# Altium PCB CameraControler0.7.PcbDoc (part 3 of 3) (continued)
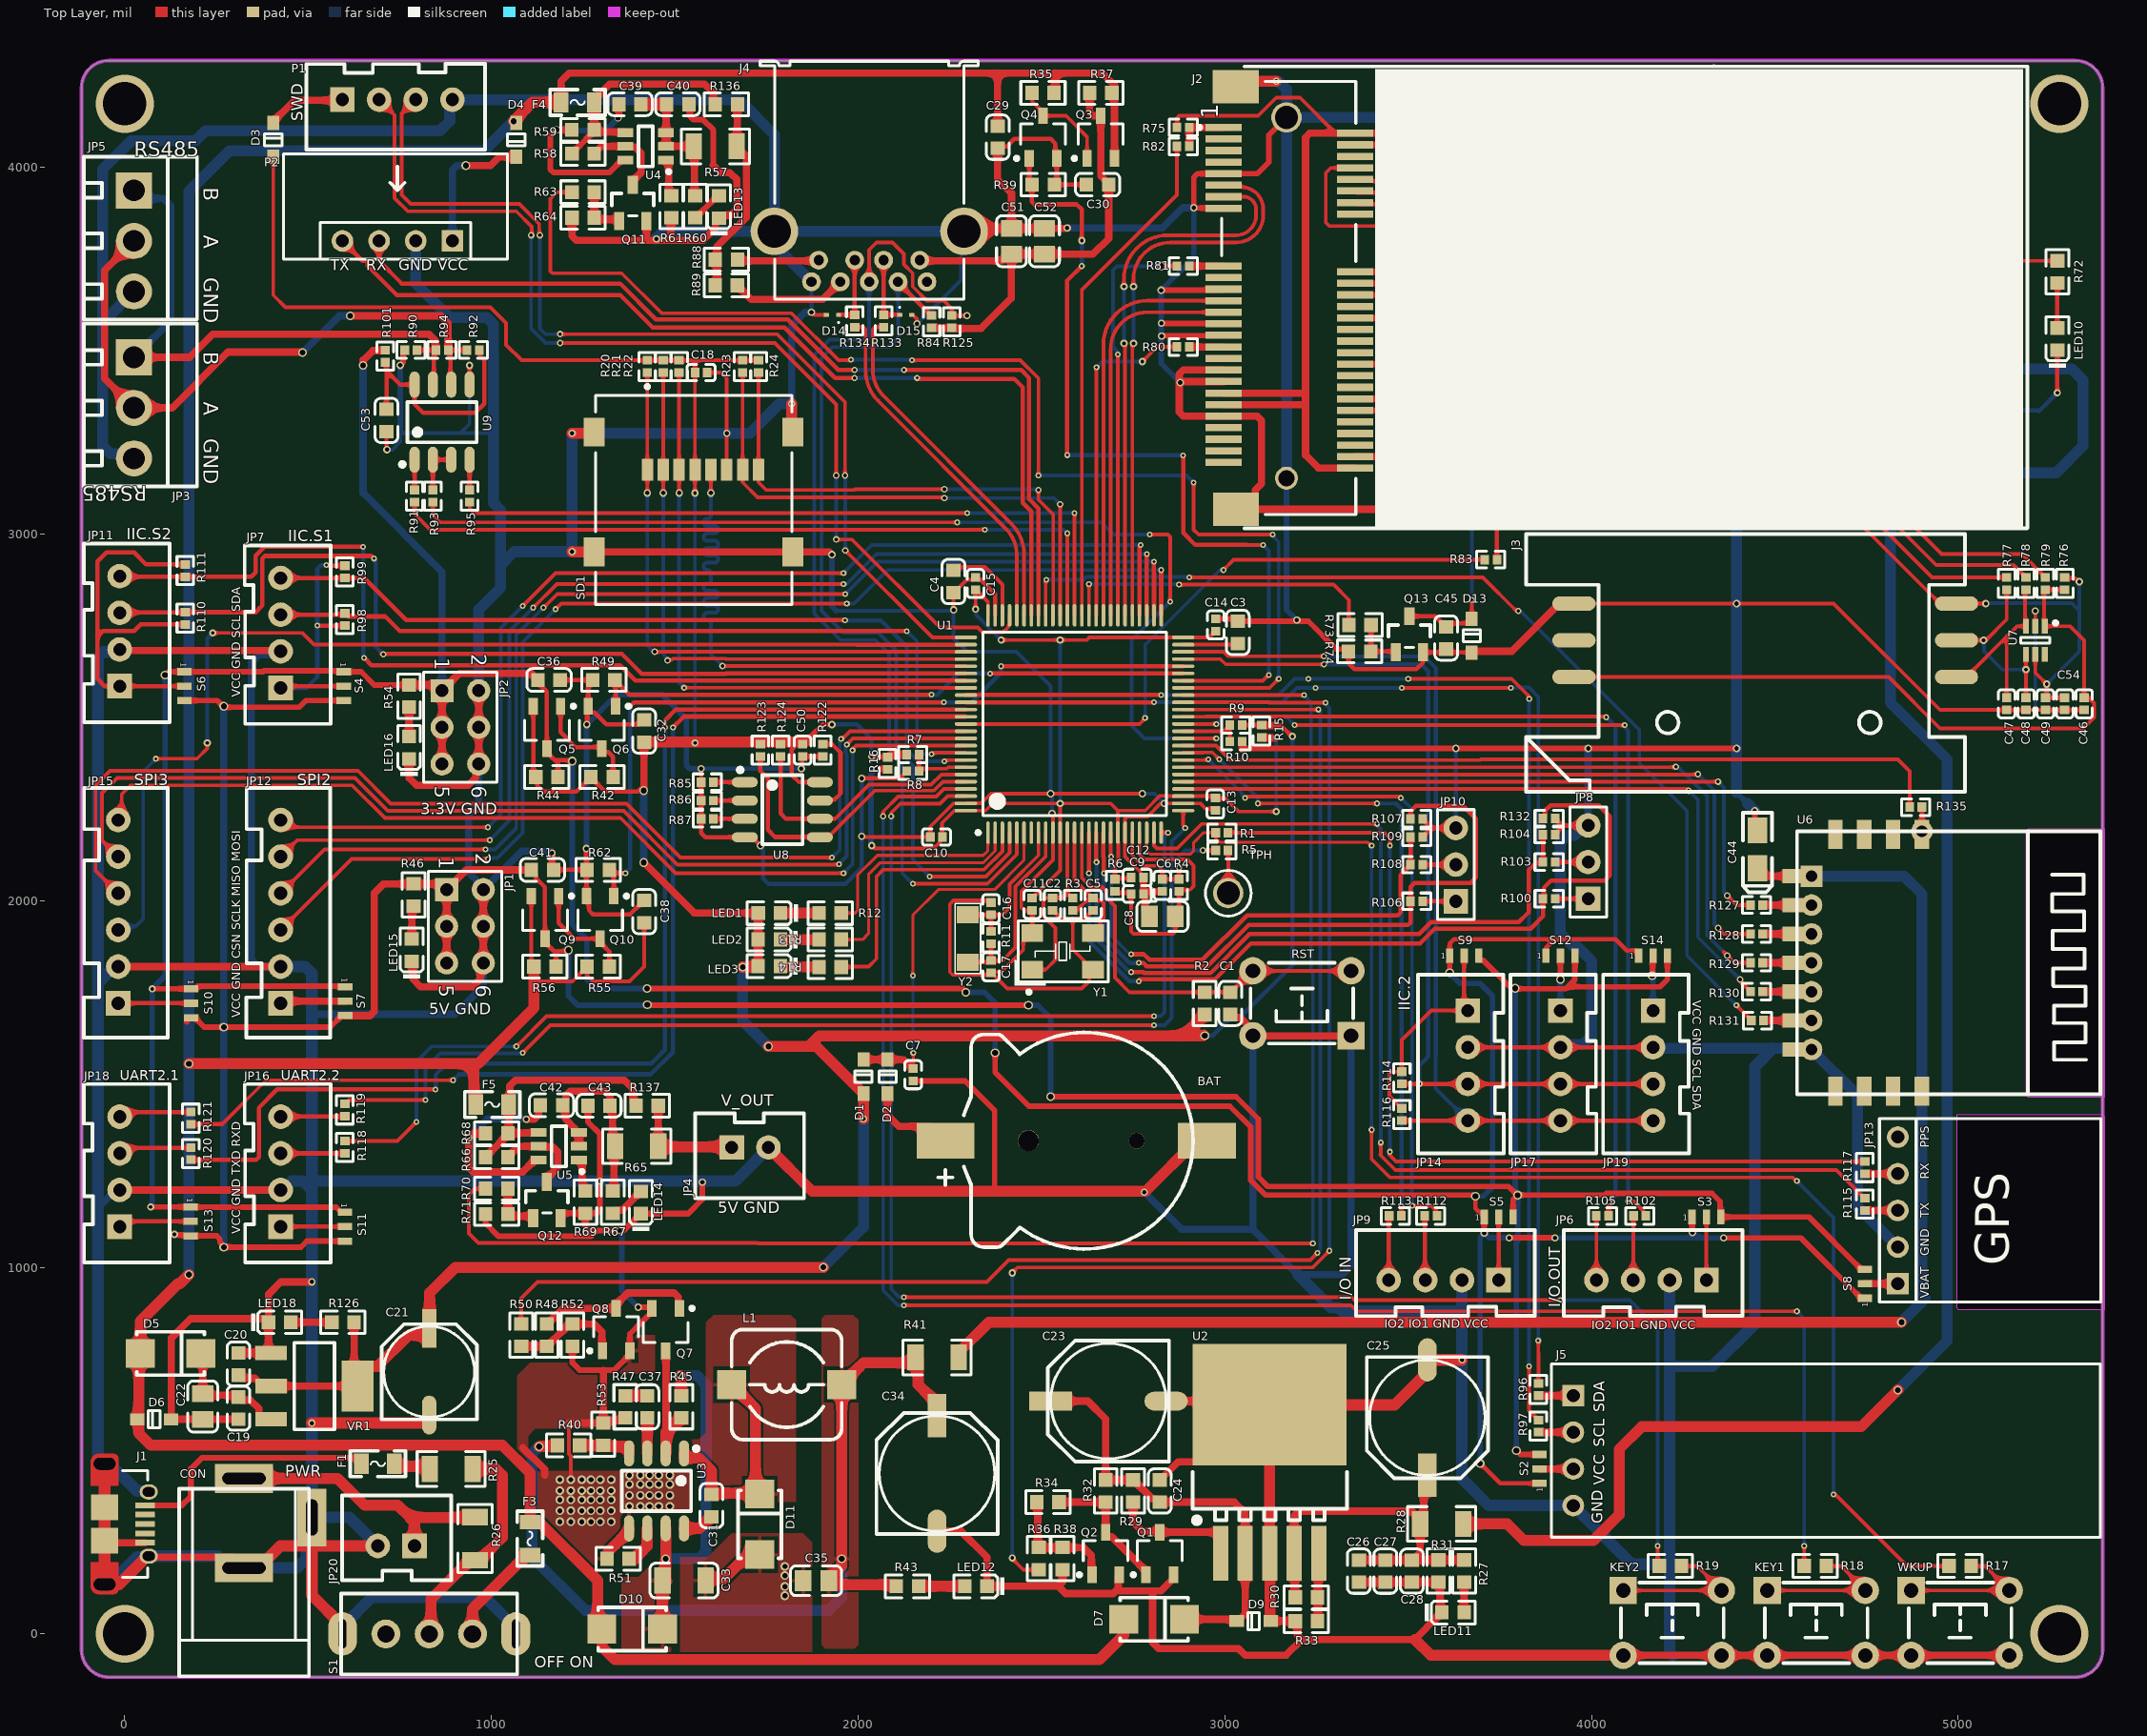
[diagram p0: Top Layer view]
## Nets (pads, with @x,y where several pads share a name; then routed paths per layer and width w, separated by ;. In a path a pad name is that pad's centre, name@x,y a point inside that pad or via, vN(x,y) a via of type N, cw(c..) or ccw(c..) an arc to the next point about the centre after c; other vN are vias at no path point) (continued)
  Top Layer w19.68: U4.1@1475.35,4019.8 1480.83,4019.8 1482.79,4017.83 1482.79,3930.27 R61.1@1490.23,3922.83
NetR69_1: R69.1 U5.1 | length 96
  Top Layer w19.68: U5.1@1238.46,1292.6 1245.27,1292.6 1247.24,1290.63 1247.24,1216.5 1255.71,1208.03 R69.1@1256.02,1208.03
NetR85_1: R85.1 U8.1 | length 85.9
  Top Layer w11.81: R85.1@1605.04,2322.97 U8.1@1690.95,2322.97
NetR86_1: R86.1 U8.2 | length 85.9
  Top Layer w11.81: R86.1@1605.04,2272.97 U8.2@1690.95,2272.97
NetR87_1: R87.1 U8.3 | length 85.9
  Top Layer w11.81: R87.1@1605.04,2222.97 U8.3@1690.95,2222.97
NetR91_2: R91.2 U9.1 | length 82.6
  Top Layer w11.81: R91.2@790.17,3120 U9.1@790.17,3202.64
NetR93_2: R93.2 U9.2 U9.3 | length 132.6
  Top Layer w11.81: R93.2@840.17,3120 U9.2@840.17,3202.64 U9.3@890.17,3202.64
NetR95_2: R95.2 U9.4 | length 82.6
  Top Layer w11.81: R95.2@940.17,3120 U9.4@940.17,3202.64
NetR122_2: R122.2 U8.7 | length 233.6
  Top Layer w11.81: U8.7@1895.67,2272.97 1898.68,2275.98 1935.93,2275.98 1951.77,2291.83 1951.77,2403.36 1928.31,2426.83 R122.2@1903.31,2426.83
NetR127_2: R127.2 U6.2 | length 87.7
  Top Layer w19.68: R127.2@4466.73,1987.87 U6.2@4554.45,1987.87
NetR128_2: R128.2 U6.3 | length 87.8
  Top Layer w19.68: R128.2@4466.73,1908.96 R128.2@4466.73,1908.96 4554.36,1909.05 U6.3@4554.45,1909.13
NetR129_2: R129.2 U6.4 | length 87.7
  Top Layer w19.68: R129.2@4466.73,1830.39 U6.4@4554.45,1830.39
NetR130_2: R130.2 U6.5 | length 87.7
  Top Layer w19.68: R130.2@4466.73,1751.65 U6.5@4554.45,1751.65
NetR131_2: R131.2 U6.6 | length 91.3
  Top Layer w20: R131.2@4468.86,1672.91 U6.6@4560.16,1672.91
NetR135_1: R135.1 U6.12 | length 74.2
  Top Layer w10: U6.12@4900.71,2180.79 U6.12@4900.71,2188.66 R135.1@4900.71,2255
OSC32_IN: C16.1 R11.2 U1.8 Y2.2 | length 405.4
  Top Layer w10: Y2.2@2298.74,1961.69 2299.25,1961.19 C16.1@2362.24,1961.19 ; R11.2@2362.24,1915.61 C16.1@2362.24,1961.19 ; U1.8@2491.58,2185.47 2491.58,2123.47 2412.83,2044.73 2412.83,1980.63 2393.39,1961.19 C16.1@2362.24,1961.19
OSC32_OUT: C17.1 R11.1 U1.9 Y2.1 | length 540.5
  Top Layer w10: Y2.1@2298.74,1831.77 2357.44,1831.77 C17.1@2362.24,1836.58 ; R11.1@2362.24,1882.15 C17.1@2362.24,1836.58 ; U1.9@2511.26,2185.47 2511.26,2120.53 2429,2038.27 2429,1871.95 2393.15,1836.1 2362.72,1836.1 C17.1@2362.24,1836.58
PRESET: C45.2 D13.2 J2.22 Q13.3 | length 1373.1
  Top Layer w10: C45.2@3602.28,2746.73 C45.2@3603.27,2746.73 C45.2@3612.95,2756.42 ; 3640,3652.01 3673.27,3618.74 v1(3673.27,3135) ; D13.2@3660.86,2756.42 D13.2@3673.27,2768.83 v1(3673.27,2820)
  Top Layer w11.81: J2.22@3355,3652.01 3640,3652.01 ; Q13.3@3503.27,2775.63 3573.38,2775.63 C45.2@3602.28,2746.73 ; C45.2@3612.95,2756.42 D13.2@3660.86,2756.42
  Bottom Layer w10: v1(3673.27,2820) v1(3673.27,3135)
PWRER_CAM: R63.1 U1.43 | length 3433
  Top Layer w10: R63.1@1219.61,3932.2 1178.7,3932.2 1160.23,3913.74 1160.23,3717.2 1166.09,3711.34 1354.61,3711.34 1464.04,3601.91 1818.37,3601.91 1946.54,3473.74 1978.74,3473.74 v1(1980,3475) ; v1(2146.53,3473.74) 2442.06,3473.74 2491.58,3424.23 v1(2491.58,3160) ; U1.43@2886.26,2580.16 3121.79,2580.16 v1(3146.63,2605) ; v1(2915,3140) 2915,3011.73 2928.27,2998.47 v1(3130,2998.47)
  Bottom Layer w10: v1(1980,3475) 2145.27,3475 v1(2146.53,3473.74) ; v1(2491.58,3160) 2895,3160 v1(2915,3140) ; v1(3130,2998.47) 3130,2995 3146.63,2978.37 v1(3146.63,2605)
PWRER_MIC: R36.1 U1.41 | length 3641.8
  Top Layer w10: v5(2420,207.13) 2420,205 2450.08,174.92 R36.1@2492.21,174.92 ; v5(2420,984.3) 2420,985 2434.5,999.5 3239.4,999.5 v1(3284.9,1045) ; U1.41@2886.26,2540.79 3120,2540.79 ; 3120.79,2540.79 3121.47,2540.1 v1(3274.89,2540.1)
  Bottom Layer w10: v5(2420,207.13) v5(2420,984.3) ; v1(3274.89,2540.1) 3274.89,2535.89 3284.9,2525.89 3284.9,1046.62 v1(3284.9,1045)
PWRER_MP: R50.1 U1.40 | length 4145.6
  Top Layer w10: R50.1@1080.75,845 1080.75,915.75 1125,960 2350.54,960 2410.04,1019.5 3232.52,1019.5 v1(3252.52,1039.5) ; U1.40@2886.26,2521.1 v1(3255,2521.1)
  Bottom Layer w10: v1(3252.52,1039.5) 3252.52,1041.12 3260,1048.6 v1@3260,2517.82 ; v1@3253.85,2519.95 v1(3255,2521.1)
PWRER_OUT: R70.1 U1.42 | length 4306.7
  Top Layer w10: R70.1@983.7,1214.21 954.21,1214.21 937.91,1197.91 937.91,1092.09 963.87,1066.13 1725.13,1066.13 1726.26,1065 v1(3240,1065) ; U1.42@2886.26,2560.47 v1(3215.71,2560.47)
  Bottom Layer w10: v1(3215.71,2560.47) 3215.71,2560.08 3235,2540.79 3235,1806.2 3240,1801.2 v1(3240,1065)
PWRER_OUT3.3: Q6.1 R49.2 U1.45 | length 1660.4
  Top Layer w11.81: R49.2@1336.45,2601.74 1336.45,2600.75 R49.2@1338.54,2598.67 ; Q6.1@1338.54,2530.13 R49.2@1338.54,2598.67 ; v1(2200,2561.63) 1534.15,2561.63 1533.25,2560.72 1376.49,2560.72 R49.2@1338.54,2598.67 ; v1(2360,2619.53) 2360.22,2619.31 2886.04,2619.31 U1.45@2886.26,2619.53
  Bottom Layer w11.81: v1(2200,2561.63) 2215.56,2561.63 2273.45,2619.53 v1(2360,2619.53)
PWRER_OUT5: Q10.1 R62.2 U1.46 | length 2135.7
  Top Layer w11.81: R62.2@1321.58,2083.99 R62.2@1330.58,2075 ; Q10.1@1333.67,2012.38 1333.67,2071.91 R62.2@1330.58,2075 ; v1(1365,2075) R62.2@1330.58,2075 ; v1(1377.57,2530.13) 1388.22,2540.79 v1(2233.74,2540.79) ; v1(2390.04,2639.21) U1.46@2886.26,2639.21
  Bottom Layer w11.81: v1(1365,2075) 1377.57,2087.57 v1(1377.57,2530.13) ; v1(2233.74,2540.79) 2309.41,2540.79 2389.24,2620.61 2389.24,2638.41 v1(2390.04,2639.21)
PWRER_USB: Q4.1 R39.2 U1.44 | length 2314.7
  Top Layer w10: U1.44@2886.26,2599.84 3103.22,2599.84 3118.38,2615 v1(3120,2615) ; 3060,2970 v1(3104.68,2970)
  Top Layer w11.81: Q4.1@2466.57,4024.47 2466.57,3960.53 R39.2@2474.25,3952.85 2473.66,3952.26 2473.66,3905.89 2480.58,3898.98 2595.71,3898.98 2609.69,3885 2609.69,3800.31 v5(2610,3800) ; v1(2570,3215) 2570,3691.06 v1(2609.69,3730.75) ; v1(2886.34,3214.57) 2886.34,3003.22 2919.56,2970 3060,2970
  Bottom Layer w10: v1(3104.68,2970) 3120,2954.68 v1(3120,2615)
  Bottom Layer w11.81: v1(2570,3215) 2570.43,3214.57 v1(2886.34,3214.57) ; v1(2609.69,3730.75) 2610,3731.06 v5(2610,3800)
RS485_RE: R93.1 U1.36 | length 2963.4
  Top Layer w10: R93.1@840.17,3086.54 840.17,3052.23 860.67,3031.73 v1(2270,3031.73) ; v1(2794.92,2998.47) 2844.32,2998.47 2850.64,2992.15 v1(2850.64,2815.55) ; U1.36@2886.26,2442.36 v1(2976.43,2442.36)
  Bottom Layer w10: v1(2270,3031.73) 2663.27,3031.73 2696.53,2998.47 v1(2794.92,2998.47) ; v1(2850.64,2815.55) 2850.55,2815.55 2745.8,2710.8 2745.8,2477.1 2780.54,2442.36 v1(2976.43,2442.36)
SDIO_CMD: R22.2 SD1.3 U1.83 | length 1634.1
  Top Layer w10: v2(1511.65,3111.73) SD1.3@1511.65,3175.28 R22.2@1511.65,3440.28 ; v1(1525,2580.63) 2229.98,2580.63 2230.45,2580.16 U1.83@2293.74,2580.16
  Bottom Layer w10: v2(1511.65,3111.73) 1511.65,2593.98 v1(1525,2580.63)
SDIO_D0: R23.2 SD1.7 U1.65 | length 1493.4
  Top Layer w10: R23.2@1684.88,3440.28 SD1.7@1684.88,3175.28 1684.88,3140.75 1725.63,3100 2233.74,3100 2235,3098.74 v6(2235,3098) ; U1.65@2550.63,2777.99 v6(2550.63,3080.95)
  Bottom Layer w10: v6(2235,3098) 2533.58,3098 v6(2550.63,3080.95)
SDIO_D1: R24.2 SD1.8 U1.66 | length 1431
  Top Layer w10: R24.2@1728.19,3440.28 SD1.8@1728.19,3175.28 1728.19,3140.75 1748.94,3120 1989.89,3120 1991.89,3122 v6(2235,3122) ; v6(2491.58,3120) 2491.58,3093.32 2531.76,3053.14 2531.76,2778.81 U1.66@2530.95,2777.99
  Bottom Layer w10: v6(2235,3122) v6@2491.28,3122
SDIO_D2: R20.2 SD1.1 U1.78 | length 1620.2
  Top Layer w10: v2(1425.04,3111.73) SD1.1@1425.04,3175.28 R20.2@1425.04,3440.28 ; v6(1445,2678.58) U1.78@2293.74,2678.58
  Bottom Layer w10: v2(1425.04,3111.73) 1425.04,2694.96 1440,2680 v6@1445,2680
SDIO_D3: R21.2 SD1.2 U1.79 | length 1602.8
  Top Layer w10: v2(1468.35,3111.73) SD1.2@1468.35,3175.28 R21.2@1468.35,3440.28 ; v6(1480,2655) 1481.53,2656.53 1490.66,2656.53 1493.97,2659.84 1638.28,2659.84 1639.23,2658.9 U1.79@2293.74,2658.9
  Bottom Layer w10: v2(1468.35,3111.73) 1468.35,2671.65 v6@1481.1,2658.9
SDIO_SCK: SD1.5 U1.80 | length 1577.4
  Top Layer w10: v2(1598.27,3111.73) SD1.5@1598.27,3175.28 ; v6(1630,2639.84) 2293.11,2639.84 U1.80@2293.74,2639.21
  Bottom Layer w10: v2(1598.27,3111.73) 1598.27,3050 cw(c1590,3050) 1590,3041.73 1588.27,3041.73 ccw(c1588.27,3031.73) 1578.27,3031.73 ccw(c1588.27,3031.73) 1588.27,3021.73 1598.27,3021.73 1608.27,3021.73 cw(c1608.27,3011.73) 1618.27,3011.73 cw(c1608.27,3011.73) 1608.27,3001.73 1598.27,3001.73 1588.27,3001.73 ccw(c1588.27,2991.73) 1578.27,2991.73 ccw(c1588.27,2991.73) 1588.27,2981.73 1598.27,2981.73 1608.27,2981.73 cw(c1608.27,2971.73) 1618.27,2971.73 cw(c1608.27,2971.73) 1608.27,2961.73 1598.27,2961.73 1588.27,2961.73 ccw(c1588.27,2951.73) 1578.27,2951.73 ccw(c1588.27,2951.73) 1588.27,2941.73 1598.27,2941.73 1608.27,2941.73 cw(c1608.27,2931.73) 1618.27,2931.73 cw(c1608.27,2931.73) 1608.27,2921.73 1598.27,2921.73 1588.27,2921.73 ccw(c1588.27,2911.73) 1578.27,2911.73 ccw(c1588.27,2911.73) 1588.27,2901.73 cw(c1588.27,2891.73) 1598.27,2891.73 1598.27,2865 1588.27,2865 ccw(c1588.27,2855) 1578.27,2855 ccw(c1588.27,2855) 1588.27,2845 1598.27,2845 1608.27,2845 cw(c1608.27,2835) 1618.27,2835 cw(c1608.27,2835) 1608.27,2825 1598.27,2825 1588.27,2825 ccw(c1588.27,2815) 1578.27,2815 ccw(c1588.27,2815) 1588.27,2805 1598.27,2805 1608.27,2805 cw(c1608.27,2795) 1618.27,2795 cw(c1608.27,2795) 1608.27,2785 1598.27,2785 1588.27,2785 ccw(c1588.27,2775) 1578.27,2775 ccw(c1588.27,2775) 1588.27,2765 cw(c1588.27,2755) 1598.27,2755 1598.27,2671.73 1630,2640 v6(1630,2639.84)
SPI2_CSN: JP12.3 U1.51 | length 3236.5
  Top Layer w10: JP12.3@425,1920 619,2114 v1(990,2114) ; v1(1175,2795) 1190,2810 v1(1969.13,2810)
  Top Layer w11.81: U1.51@2826.22,2777.99 2826.66,2778.43 2826.22,2778.87 v1(2826.22,2901.73)
  Bottom Layer w10: v1(990,2114) 992,2116 1015.85,2116 1085,2185.15 1085,2705 v1(1175,2795) ; v1(1969.13,2810) 1988.75,2810 2080.49,2901.73 v1(2826.22,2901.73)
SPI2_MISO: JP12.5 U1.53 | length 3172.6
  Top Layer w10: JP12.5@425,2120 470,2165 v1(995,2165) ; v1(1113.8,2799.1) 1178.17,2863.47 v1(1960,2863.47)
  Top Layer w11.81: U1.53@2786.85,2777.99 2786.63,2778.21 2786.63,2944.78 v1(2786.85,2945)
  Bottom Layer w10: v1(995,2165) 1049,2219 1049,2734.3 v1(1113.8,2799.1) ; v1(1960,2863.47) 1968.47,2863.47 2050,2945 v1(2786.85,2945)
SPI2_MOSI: JP12.6 U1.54 | length 3163.6
  Top Layer w10: JP12.6@425,2220 445,2200 v1(990,2200) ; v1(1085,2803.73) 1174.32,2893.05 v1(1960,2893.05)
  Top Layer w11.81: U1.54@2767.17,2777.99 2766.94,2778.21 2766.94,2965.81 2770,2968.87 v1(2770,2970)
  Bottom Layer w10: v1(990,2200) 1025,2235 1025,2743.73 v1(1085,2803.73) ; v1(1960,2893.05) 2036.95,2970 v1(2770,2970)
SPI2_SCLK: JP12.4 U1.52 | length 3212.5
  Top Layer w10: JP12.4@425,2020 545,2140 v1(983.7,2140) ; v1(1141.61,2799.1) 1142.09,2799.1 1179.23,2836.25 v1(1965,2836.25)
  Top Layer w11.81: U1.52@2806.54,2777.99 2806.76,2778.21 2806.76,2893.05 2806.31,2893.49 2806.31,2909.98 2806.53,2910.2 v1(2806.53,2924.78)
  Bottom Layer w10: v1(983.7,2140) 1010,2140 1067.72,2197.72 1067.72,2725.2 v1(1141.61,2799.1) ; v1(1965,2836.25) 2053.53,2924.78 v1(2806.53,2924.78)
SPI3_CSN: JP15.3 U1.77 | length 3071.6
  Top Layer w10: v1(85,2387) 197,2387 225,2415 v5(225,2430) ; v5(240,2730) 485,2730 516.42,2698.58 1715.71,2698.58 1716.02,2698.27 1995.02,2698.27
  Top Layer w11.81: 1995.02,2698.27 U1.77@2293.74,2698.27
  Bottom Layer w10: JP15.3@-18,1920 -8,1930 30,1930 50,1950 50,2352 v1(85,2387) ; v5(225,2430) 225,2715 v5(240,2730)
SPI3_MISO: JP15.5 U1.90 | length 2985.9
  Top Layer w10: JP15.5@-18,2120 -62.46,2164.46 -62.46,2292.54 -20.9,2334.1 628.06,2334.1 717.4,2244.76 1360.18,2244.76 1506.62,2098.32 1946.96,2098.32 v1(1947.56,2098.92) ; v1(1969.13,2425.87) 1985.62,2442.36 U1.90@2293.74,2442.36
  Bottom Layer w10: v1(1947.56,2098.92) 1947.56,2100.51 1968.69,2121.64 1968.69,2399.44 1965.69,2402.44 1965.69,2422.43 v1(1969.13,2425.87)
SPI3_MOSI: JP15.6 U1.91 | length 2814.2
  Top Layer w10: JP15.6@-18,2220 -8.27,2229.73 -8.27,2290 16.07,2314.34 619.87,2314.34 709.21,2225 1351.99,2225 1501.99,2075 v1(1960,2075) ; v1(1984.69,2410.31) 1983.28,2411.72 1983.28,2412.07 1993.81,2422.6 2202.05,2422.6 2202.13,2422.68 U1.91@2293.74,2422.68
  Bottom Layer w10: v1(1960,2075) 1984.69,2099.69 v1(1984.69,2410.31)
SPI3_SCLK: JP15.4 U1.89 | length 3127
  Top Layer w10: JP15.4@-18,2020 -80,2082 -80,2314.1 -40.32,2353.79 636.21,2353.79 725.55,2264.45 1368.33,2264.45 1515.46,2117.32 v1(1928.31,2117.32) ; v1(1953.57,2441.43) 1955.03,2439.97 1955.39,2439.97 1977.47,2462.05 U1.89@2293.74,2462.05
  Bottom Layer w10: v1(1928.31,2117.32) 1949.69,2138.69 1949.69,2437.54 v1(1953.57,2441.43)
SWCLK: P1.3 U1.76 | length 2716.8
  Top Layer w10: P1.3@793.39,4184.7 755.39,4146.7 755.39,3924.61 780,3900 1075.86,3900 1130,3845.86 1130,3817 v6(1132,3815) ; v6(1187.14,3545) 1778.7,3545 1964,3359.7 v6(1964,3159.74) ; v6(1965,2955) 2202.05,2717.95 U1.76@2293.74,2717.95
  Bottom Layer w10: v6(1132,3815) 1132,3560 1147,3545 v6(1187.14,3545) ; v6(1964,3159.74) 1965,3158.74 v6(1965,2955)
SWDIO: P1.2 U1.72 | length 2876.5
  Top Layer w10: P1.2@693.39,4184.7 735.39,4142.7 735.39,3916.33 771.72,3880 1067.57,3880 1110,3837.57 1110,3817 v6(1108,3815) ; v6(1187.14,3521) 1772.29,3521 1940,3353.29 v6(1940,3160) ; v6(1940,2985) 1983.28,2985 2223.28,2745 2325.91,2745 2339.1,2731.8 2395.07,2731.8 2409.07,2745.81 2409.07,2748.8 2412.83,2752.56 U1.72@2412.83,2777.99
  Bottom Layer w10: v6@1112,3811 v6(1108,3815) 1108,3560 1147,3521 v6(1187.14,3521) ; v6(1940,2985) v6(1940,3160)
UART2_RXD_1: R119.2 U1.26 | length 2985.6
  Top Layer w10: R119.2@600,1445.66 610.74,1456.4 v1(820.16,1456.4) ; v1(1085.39,1584.61) 1160.79,1660 v1(2806.54,1660) ; U1.26@2886.26,2245.51 2886.26,2205.21 2891.73,2199.73 v1(2891.73,2198.11)
  Bottom Layer w10: v1(820.16,1456.4) 820.16,1542.73 860.71,1583.28 1084.07,1583.28 v1(1085.39,1584.61) ; v1(2806.54,1660) 2835,1660 2855,1680 2855,2161.38 v1(2891.73,2198.11)
UART2_RXD_2: R121.2 U1.87 | length 3093.5
  Top Layer w10: 265.49,1390 385.49,1510 v1(895,1510)
  Top Layer w11.81: R121.2@180,1390 265.49,1390 ; v1(1495,2472.63) 1524.58,2502.21 2292.95,2502.21 U1.87@2293.74,2501.42
  Bottom Layer w11.81: v1(895,1510) 911.39,1526.39 1434.23,1526.39 1495,1587.16 v1(1495,2472.63)
UART2_TXD_1: R118.2 U1.25 | length 2989.9
  Top Layer w10: R118.2@600,1344.13 743.24,1344.13 v1(795.47,1396.35) ; v1(1067.72,1602.28) 1150.43,1685 v1(2806.54,1685) ; U1.25@2826.22,2185.47 v1(2845,2185.47)
  Bottom Layer w10: v1(795.47,1396.35) 795.47,1560.47 837.28,1602.28 v1(1067.72,1602.28) ; v1(2806.54,1685) 2825,1685 2835,1695 2835,2173.85 2845,2183.85 v1(2845,2185.47)
UART2_TXD_2: R120.2 U1.86 | length 3251
  Top Layer w11.81: R120.2@180,1293.27 358.47,1293.27 365.39,1300.19 365.39,1435 415.39,1485 v1(847.36,1485) ; v1(1473,2472.63) 1473,2491.56 1502.33,2520.88 2293.52,2520.88 U1.86@2293.74,2521.1
  Bottom Layer w11.81: v1(847.36,1485) 847.36,1524.92 877.44,1555 1435,1555 1473,1593 v1(1473,2472.63)
UART3_CTS: J2.25 U1.58 | length 1092.2
  Top Layer w10: U1.58@2688.43,2777.99 2688.43,3130 2688.43,3226.81 2688.43,3289.8 2688.43,3395 2688.43,3504.76 cw(c2788.43,3504.76) 2788.43,3604.76 J2.25@2996.73,3604.76
UART3_RTS: J2.23 U1.59 | length 1135.1
  Top Layer w10: U1.59@2668.74,2777.99 2668.74,3159.74 2669,3160 2669,3516.31 2668.74,3516.57 cw(c2788.43,3516.57) 2788.43,3636.26 J2.23@2996.73,3636.26
UART3_RXD: J2.13 U1.56 | length 1502.7
  Top Layer w10: v5(2724.64,3520) cw(c2724.64,3516.84) 2727.8,3516.84 2727.8,3179.57 2727.8,3120 2727.8,3090 2727.8,3025 U1.56@2727.8,2777.99 ; v5(2724.64,3674.9) 2724.64,3695 cw(c2844.32,3695) 2844.32,3814.68 3030.2,3814.68 ccw(c3030.2,3869.49) 3085,3869.49 3085,3885.67 ccw(c3050.94,3885.67) 3050.94,3919.72 J2.13@2996.73,3919.72
  Bottom Layer w10: v5(2724.64,3520) v5(2724.64,3674.9)
UART3_TXD: J2.11 U1.55 | length 1532.2
  Top Layer w10: U1.55@2747.48,2777.99 2747.48,3516.84 cw(c2750.64,3516.84) v5(2750.64,3520) ; v5(2750.64,3674.9) 2750.64,3695 cw(c2850.64,3695) 2850.64,3795 3030.2,3795 ccw(c3030.2,3869.49) 3104.68,3869.49 3104.68,3885 ccw(c3043.46,3885) 3043.46,3946.22 3008.8,3946.22 cw(c3008.8,3963.29) J2.11@2996.73,3951.22
  Bottom Layer w10: v5(2750.64,3520) v5(2750.64,3674.9)
UART4_RXD: R115.2 U1.24 | length 2953.3
  Top Layer w10: U1.24@2806.54,2185.47 2806.54,2149.82 2814.28,2142.08 2869.88,2142.08 2937.07,2209.27 v1(3415,2209.27) ; v1(3425,1340) 3425,1308.46 3423.27,1306.73 3465,1265 4667.48,1265 4744.02,1188.46 R115.2@4745,1188.46
  Bottom Layer w10: v1(3415,2209.27) 3415,2205.08 3425,2195.08 v1(3425,1340)
UART4_TXD: R1.2 R117.2 | length 2616.9
  Top Layer w10: R1.2@3008.46,2185.47 3435.59,2185.47 3450,2171.06 v1(3450,2149.82) ; v1(3450,1315) 3448.85,1313.85 3448.85,1307.32 3448.27,1306.73 3466.54,1288.46 R117.2@4745,1288.46
  Bottom Layer w10: v1(3450,1315) v1(3450,2149.82)
UART6_RXD: R91.1 U1.64 | length 2077.3
  Top Layer w10: R91.1@790.17,3086.54 790.17,3054.86 833.3,3011.73 v1(2345,3011.73) ; U1.64@2570.32,2754.72 v1@2570.32,2998.47
  Bottom Layer w10: v1(2345,3011.73) 2560,3011.73 v1(2570,3001.73)
UART6_TXD: R95.1 U1.63 | length 1951.1
  Top Layer w10: R95.1@940.17,3086.54 940.17,3070.86 954.03,3057 v1(2297.75,3057) ; U1.63@2590,2777.99 v1(2590,3057)
  Bottom Layer w10: v1@2297.75,3055 2299.75,3057 v1(2590,3057)
USB_N: R133.1 U1.70 | length 973
  Top Layer w10: R133.1@2069.37,3564.14 2050,3564.14 ccw(c2050,3554.14) 2042.93,3561.21 ccw(c2050,3554.14) 2040,3554.14 2040,3447.09 ccw(c2140,3447.09) 2069.29,3376.38 2417.16,3028.51 cw(c2332.56,2943.91) 2452.21,2943.91 2452.21,2815 2452.52,2814.69 2452.52,2777.99 U1.70@2452.21,2777.99
USB_P: R134.1 U1.71 | length 972.6
  Top Layer w10: R134.1@1990.63,3564.14 2010,3564.14 cw(c2010,3554.14) 2017.07,3561.21 cw(c2010,3554.14) 2020,3554.14 2020,3447.05 ccw(c2139.89,3447.05) 2055.12,3362.27 2402.92,3014.47 cw(c2332.21,2943.76) 2432.21,2943.76 2432.21,2795.31 2432.52,2795 U1.71@2432.52,2777.99
USIM_CLK: J2.12 R78.1 | length 2266
  Top Layer w10: J2.12@3355,3935.47 3360,3930.47 3924.07,3930.47 4939.54,2915 5151.22,2915 R78.1@5184.49,2881.73
USIM_DATA: J2.10 R79.1 | length 2331.8
  Top Layer w10: J2.10@3355,3966.97 3360,3961.97 3937.12,3961.97 4954.08,2945 5173.98,2945 R79.1@5237.24,2881.73
USIM_RST: J2.14 R77.1 | length 2200.2
  Top Layer w10: J2.14@3355,3903.98 3360,3898.98 3911.02,3898.98 4928.27,2881.73 R77.1@5131.73,2881.73
USIM_VDD: C49.2 C54.2 J2.8 J3.1 R76.2 U7.5 | length 3234.4
  Top Layer w10: J2.8@3360,3993.46 J2.8@3355,3998.46 3288.46,3998.46 3275,3985 3275,3850 3285,3840 3920,3840 4950,2810 J3.1@4940,2810 ; J3.1@4995,2810 v5(5075.08,2810) ; U7.5@5210,2671.81 5210,2621.26 v5(5240.91,2590.34) 5240.91,2556.98 C49.2@5237.4,2553.46 C54.2@5290.23,2553.46 ; R76.2@5290,2881.73 5292.23,2879.5 5317.79,2879.5 5327.29,2870 v5(5330,2870)
  Bottom Layer w10: v5(5075.08,2810) 5076.08,2811 5309,2811 5330,2790 ; v5(5240.91,2590.34) 5330,2679.43 5330,2790 ; v5(5330,2870) 5330,2790
VDDA: C8.2 C9.2 R4.2 R6.2 U1.22 | length 709.8
  Top Layer w10: R6.2@2700,2025 2703.44,2021.55 2740.81,2021.55 C9.2@2744.25,2018.11 2744.25,1915.86 2750.11,1910 2859.14,1910 2865,1915.86 C8.2@2865,1956.73 2875,1966.73 R4.2@2875,2025 2880,2030 2905,2030 2915,2040 2915,2095 2897.92,2112.08 2780.7,2112.08 2767.17,2125.61 U1.22@2767.17,2185.47
WiFi_EN: R135.2 U1.35 | length 2109.1
  Top Layer w10: U1.35@2886.26,2422.68 2886.34,2422.6 2975.44,2422.6 3014.73,2383.31 3695.8,2383.31 3697.49,2385 4835,2385 4867.25,2352.75 R135.2@4867.25,2255
WiFi_MISO: R128.1 U1.31 | length 1941.9
  Top Layer w10: U1.31@2886.26,2343.94 4288.94,2343.94 v6(4290,2345) ; v6(4345,1925) 4361.04,1908.96 R128.1@4433.27,1908.96
  Bottom Layer w10: v6(4290,2345) 4335,2300 4335,1935 v6(4345,1925)
WiFi_MOSI: R129.1 U1.32 | length 2005.8
  Top Layer w10: U1.32@2886.26,2363.62 4228.62,2363.62 v6(4230,2365) ; 4360,1860 v6(4370,1850) 4389.61,1830.39 R129.1@4433.27,1830.39
  Bottom Layer w10: v6(4230,2365) 4235,2365 4315,2285 4315,1905 v6(4370,1850)
WiFi_nCS: R130.1 U1.29 | length 1998.7
  Top Layer w10: U1.29@2886.26,2304.57 4260.43,2304.57 v6(4265,2300) ; v6(4405,1785) 4405,1779.92 R130.1@4433.27,1751.65
  Bottom Layer w10: v6(4265,2300) 4290,2275 4290,1900 v6(4405,1785)
WiFi_nRST: R131.1 U1.67 | length 2808.2
  Top Layer w10: U1.67@2511.26,2777.99 2511.26,2871.88 2512.76,2873.38 v1(2512.76,2875) ; v1(2902.99,2881.73) 3703.27,2881.73 3795,2790 v1(3800,2790) ; v1(4395,1715) 4395,1714.29 4435.39,1673.9 R131.1@4435.39,1672.91
  Bottom Layer w10: v1(2512.76,2875) 2614.03,2875 2621.5,2882.47 2902.25,2882.47 v1(2902.99,2881.73) ; v1@3802.82,2792.82 4130,2465.65 4130,2375 4260,2245 4260,1850 v1(4395,1715)
WiFi_SCLK: R127.1 U1.30 | length 1854.1
  Top Layer w10: U1.30@2886.26,2324.25 2886.34,2324.33 4344.33,2324.33 v6(4344.63,2324.63) ; v6(4370,2013.47) 4395.59,1987.87 R127.1@4433.27,1987.87
  Bottom Layer w10: v6(4344.63,2324.63) 4361,2308.25 4361,2022.47 v6(4370,2013.47)
pads on no net: BAT.0 J1.2 J1.3 J1.4 J2.3 J2.5 J2.6 J2.7 J2.16 J2.19 J2.24 J2.28 J2.30 J2.32 J2.33 J2.36 J2.38 J2.44 J2.45 J2.46 J2.47 J2.48 J2.49 J2.51 J3.5 J4.9 JP13.5 S1.1 U1.7 U6.8 U6.9 U6.10 U6.11 U6.13 U6.14 U6.15 U7.6
copper on no net:
  other v8: 0,0 5275.59,0 0,4173.23 5275.59,4173.23

## Polygon pours and split planes (outlines as drawn)
GND on Top Layer "GND_MP1584" (solid, pour order 4): 1328.78,180 1331.02,182.24 1331.02,217.24 1387.79,274.01 1387.79,325 1397.79,335 1545,335 1545,445 1130,445 1100,475 1100,540 1120,560 1385,560 1385,610 1325,610 1325,710 1445,710 1445,815 1355,815 1340,800 1340,755 1325,740 1105,740 1070,705 1070,335 1240,195
NetC34_1 on Top Layer "GND_L01_MP1584_VO" (solid, pour order 16): 1900,-30 1900,860 1910,870 1986.38,870 2000,856.38 2000,-30 1990,-40 1910,-40
GND on Top Layer "MP1584_GND2" (solid, pour order 12): 1515,210 1590,210 1655,275 1850,275 1875,250 1875,-55 1855,-75 1525,-75 1515,-65
NetC31_2 on Top Layer "MP1584_SW" (solid, pour order 8): 1515,475 1515,530 1565,530 1585,550 1585,850 1605,870 1816.38,870 1830,856.38 1830,360 1585,360 1585,450 1560,475
NetC33_1 on Top Layer "MP1584_Vin" (solid, pour order 6): 1355,155 1355,-55 1375,-75 1480,-75 1490,-65 1490,315 1480,325 1470,325 1460,315 1460,215 1400,155
GND on Bottom Layer "GND_L02_MP1584_GND" (solid, pour order 20): 1970,-65
GND on Bottom Layer "GND_L02_MP1584_GND" (solid, pour order 18): 1320,-75 1070,175 1070,800 1140,870 1986.38,870 2000,856.38 2000,-75

## Keep-outs
Keep-Out Layer:
  lines w10: -118.11,-43.31 -118.11,4216.53 cw(c-43.31,4216.54) -43.31,4291.34 5318.9,4291.34 cw(c5318.9,4216.54) 5393.7,4216.54 5393.7,-43.31 cw(c5318.9,-43.31) 5318.9,-118.11 -43.31,-118.11 ; -117.91,-43.11 ccw(c-43.11,-43.11) -43.11,-117.91

## Silkscreen, mask and mechanical layers (free items; w line width, h text height)
Top Overlay:
  text "SWD" at 485,4125.65 h31.5 r90
  text "RS485" at 25,4029.05 h39.37
  text "B" at 215,3945 h39.37 r270
  text "A" at 215,3815 h39.37 r270
  text "GND" at 215,3700 h39.37 r270
  text "B" at 215,3496.81 h39.37 r270
  text "A" at 215,3360.12 h39.37 r270
  text "GND" at 215,3260.12 h39.37 r270
  text "RS485" at 60,3130 h39.37 r180
  text "IIC.S2" at 5,2985 h31.5
  text "IIC.S1" at 445,2980.08 h31.5
  text "VCC GND SCL SDA" at 315,2555 h23.62 r90
  text "SPI3" at 25,2315 h31.5
  text "SPI2" at 470,2315 h31.5
  text "3.3V GND" at 806.28,2235 h31.5
  text "VCC GND SCL SDA" at 4275,1729.02 h23.62 r270
  text "IIC.2" at 3505.14,1700 h31.5 r90
  text "5V GND" at 830,1690 h31.5
  text "VCC GND CSN SCLK MISO MOSI" at 315,1680 h23.62 r90
  text "UART2.2" at 425,1510.66 h27.56
  text "UART2.1" at -14,1510 h27.56
  text "V_OUT" at 1626.69,1440.48 h31.5
  text "5V GND" at 1617.72,1147.68 h31.5
  text "VCC GND TXD RXD" at 315,1090 h23.62 r90
  text "I/O IN" at 3343.86,910 h31.5 r90
  text "I/O.OUT" at 3915,890.63 h31.5 r90
  text "IO2 IO1 GND VCC" at 3435,835 h23.62
  text "IO2 IO1 GND VCC" at 4000,830 h23.62
  text "PWR" at 437.95,429.09 h31.5
  text "OFF" at 1116.85,-91.85 h31.5
  text "ON" at 1212.6,-91.85 h31.5
Mechanical 11:
  lines w7.87: 1325,180 1131.22,180 1070,241.22 1070,705 1105,740 1315,740 1325,740 1340,755 1340,800 1355,815 1445,815 1445,710 1400,710 1365,710 ; 1328.78,180 1328.78,215 1387.79,274.01 1387.79,325 1397.79,335 1545,335 1545,445 1130,445 1100,475 1100,540 1120,560 1385,560 1385,610 1325,610 1325,710 1360,710 ; 1515,475 1515,530 1565,530 1585,550 1585,850 1605,870 1816.38,870 1830,856.38 1830,360 1585,360 1585,450 1560,475 1525,475 ; 1875,-30 1875,-55 1855,-75 1525,-75 1515,-65 1515,210 1590,210 1655,275 1850,275 1875,250 1875,-25 ; 1355,-55 1375,-75 1480,-75 1490,-65 1490,315 1480,325 1470,325 1460,315 1460,215 1400,155 1355,155 1355,-55 ; 1900,-30 1910,-40 1990,-40 2000,-30 2000,856.38 1986.38,870 1910,870 1900,860 1900,233.39 1900,-30

## Text inside footprints (layer, text, board x,y; h text height)
J1: Mechanical 2 "PCB Edge" at -133.74,343.03 h16 r270
J2: Top Overlay "1" at 2981.73,4131.7 h47.24 r90
J4: Bottom Overlay "DC" at 1929,4089 h39.37 r90; Bottom Overlay "DP" at 2003,4089 h39.37 r90; Bottom Overlay "DM" at 2085,4089 h39.37 r90; Bottom Overlay "VCC" at 2162,4108.68 h39.37 r90; Bottom Overlay "GND" at 1893,3953.96 h39.37 r90; Bottom Overlay "DC" at 1961,3934.28 h39.37 r90; Bottom Overlay "ACT" at 2038,3953.96 h39.37 r90; Bottom Overlay "IN" at 2118,3931 h39.37 r90; Bottom Overlay "NC" at 2205,3934.28 h39.37 r90
J5: Top Overlay "GND" at 4040,300 h50 r90; Top Overlay "SCL" at 4045,509.37 h50 r90; Top Overlay "SDA" at 4045,605 h50 r90; Top Overlay "VCC" at 4045,405 h50 r90
JP1: Top Overlay "6" at 957.66,1770 h40 r270; Top Overlay "5" at 857.66,1770 h40 r270; Top Overlay "2" at 957.66,2130 h40 r270; Top Overlay "1" at 857.66,2120 h40 r270
JP2: Top Overlay "6" at 945.17,2312.63 h40 r270; Top Overlay "5" at 845.17,2312.63 h40 r270; Top Overlay "2" at 945.17,2672.63 h40 r270; Top Overlay "1" at 845.17,2662.63 h40 r270
JP13: Top Overlay "GPS" at 5170,1005 h157.48 r90; Top Overlay "VBAT" at 4920,915 h23.62 r90; Top Overlay "GND" at 4920,1030 h23.62 r90; Top Overlay "TX" at 4920,1135 h23.62 r90; Top Overlay "RX" at 4920,1240 h23.62 r90; Top Overlay "PPS" at 4920,1325 h23.62 r90
P2: Top Overlay "GND" at 746.73,3708.94 h50; Top Overlay "TX" at 561,3708.94 h50; Top Overlay "RX" at 658.46,3708.94 h50; Top Overlay "VCC" at 852.64,3708.94 h50
S2: Top Overlay "1" at 3866.89,385.63 h15.75 r90
S3: Top Overlay "1" at 4248.63,1128.11 h15.75
S4: Top Overlay "1" at 588.11,2649.37 h15.75 r270
S5: Top Overlay "1" at 3682.09,1128.11 h15.75
S6: Top Overlay "1" at 153.11,2649.37 h15.75 r270
S7: Top Overlay "1" at 592.11,1790 h15.75 r270
S8: Top Overlay "1" at 4754,890.63 h15.75 r90
S9: Top Overlay "1" at 3588.13,1841 h15.75
S10: Top Overlay "1" at 172.11,1784.37 h15.75 r270
S11: Top Overlay "1" at 591,1175.03 h15.75 r270
S12: Top Overlay "1" at 3850.63,1841 h15.75
S13: Top Overlay "1" at 170.23,1189.37 h15.75 r270
S14: Top Overlay "1" at 4103.13,1841 h15.75